# Altium PCB PCB1.PcbDoc (part 1 of 2)
Units mm, origin at the board's own origin, x right, y up, seen from the top; angles counter-clockwise.
Board outline 95 x 50 mm, 4 copper layers (Top Layer, GND02, PWR03, Bottom Layer), stack 0.603 mm thick; 238 components, 164 nets, 720 pads, 505 vias.
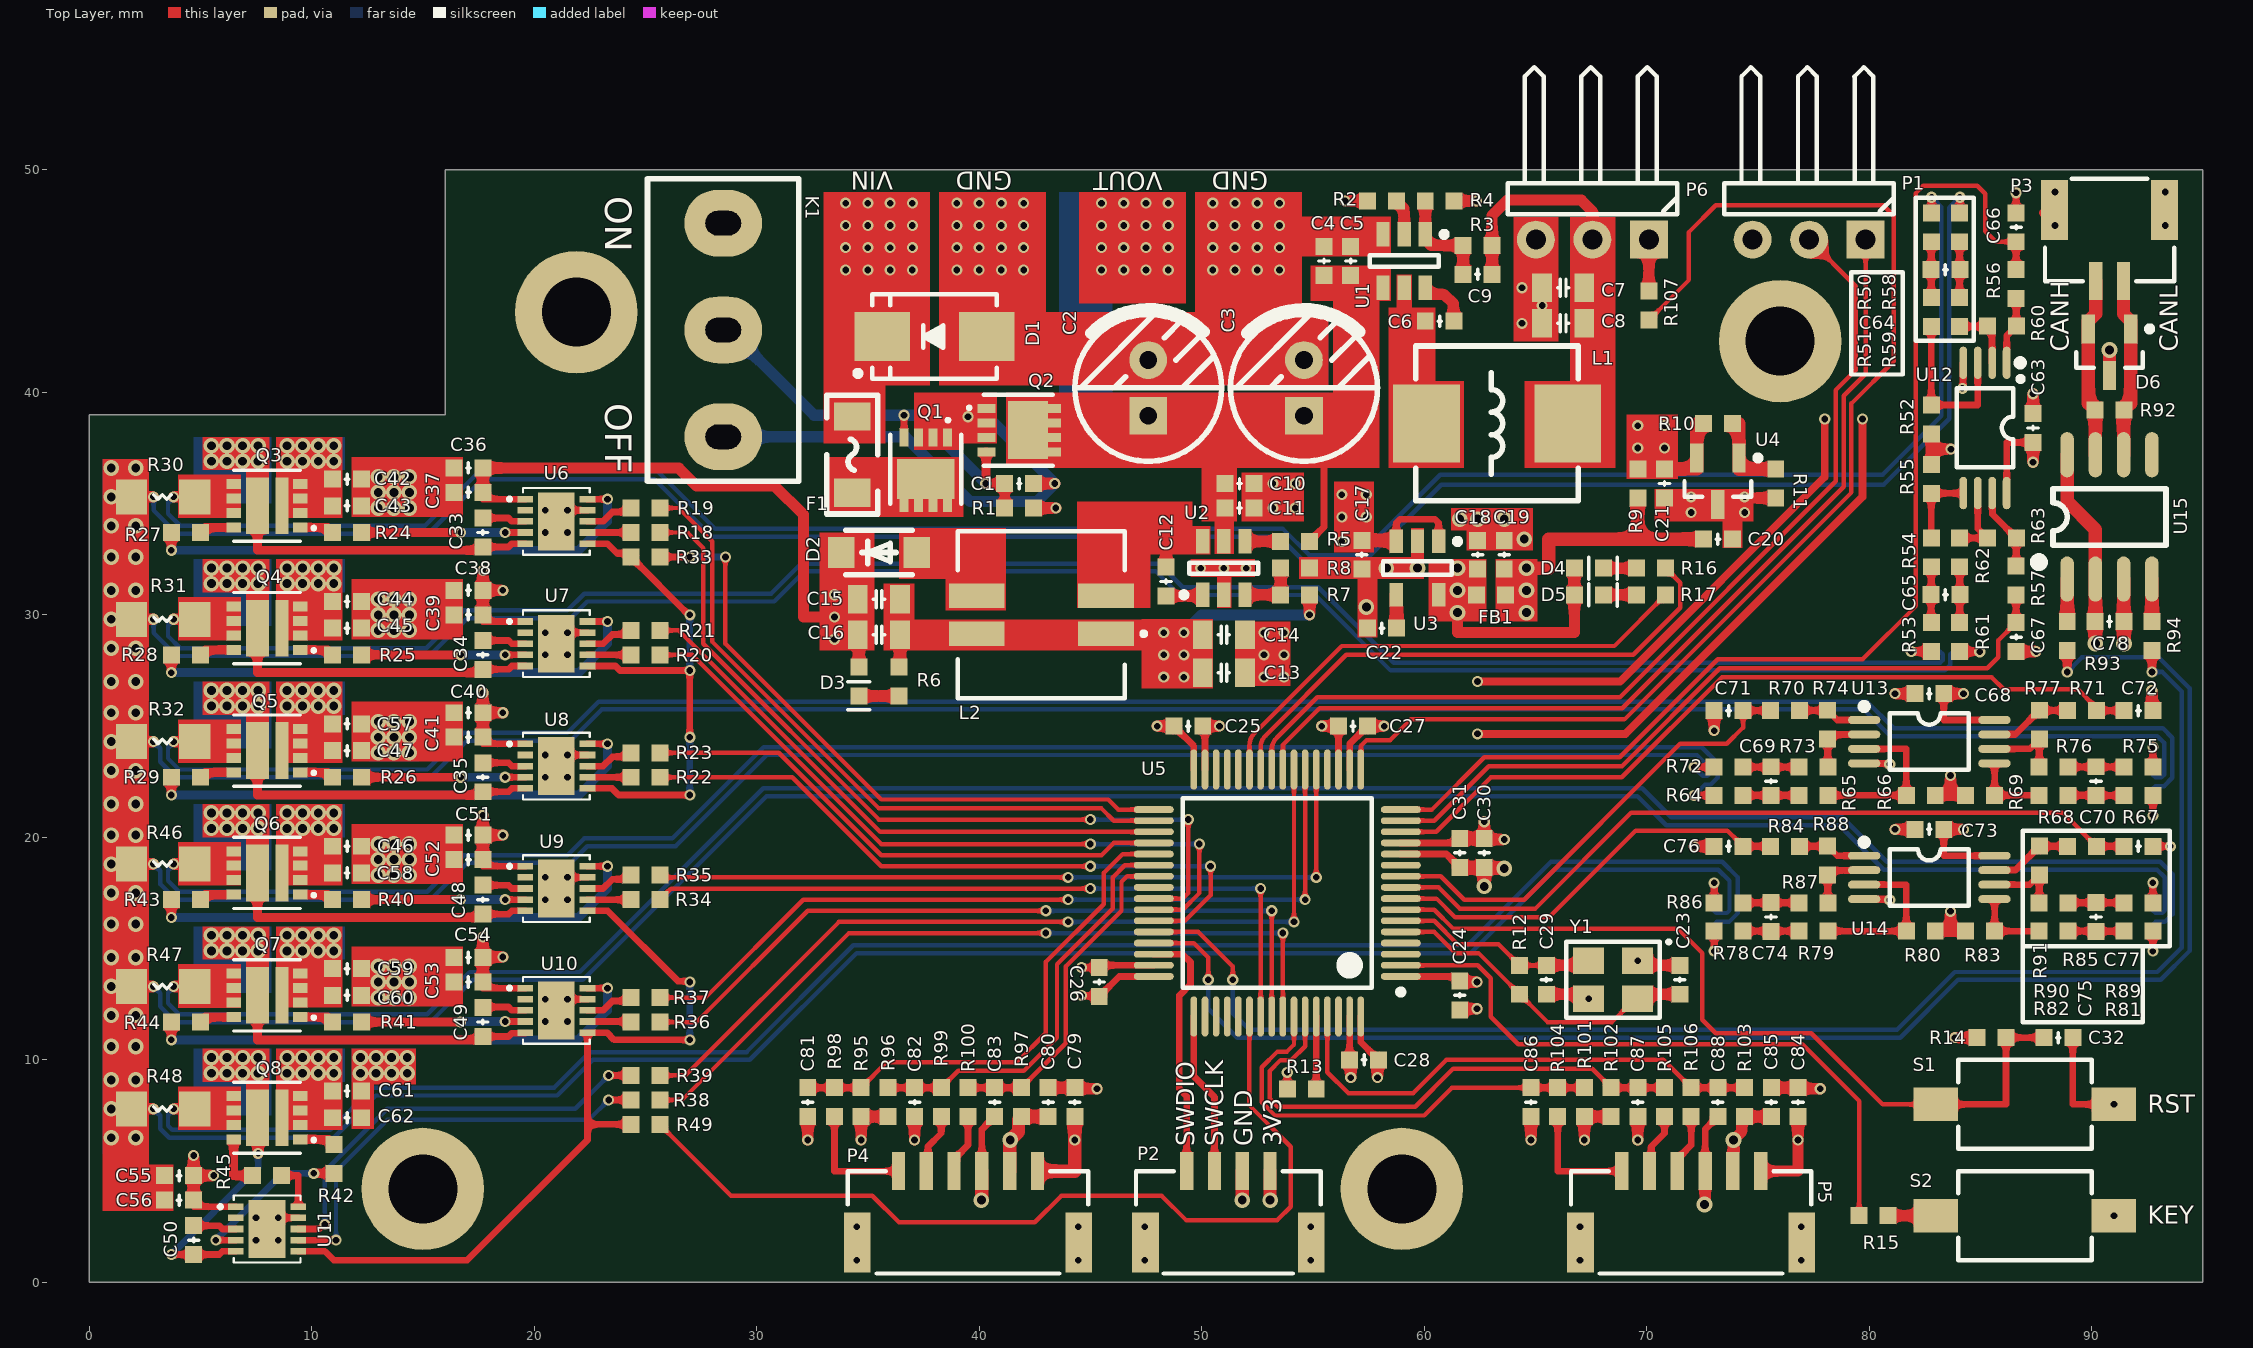
[diagram p0: Top Layer view]
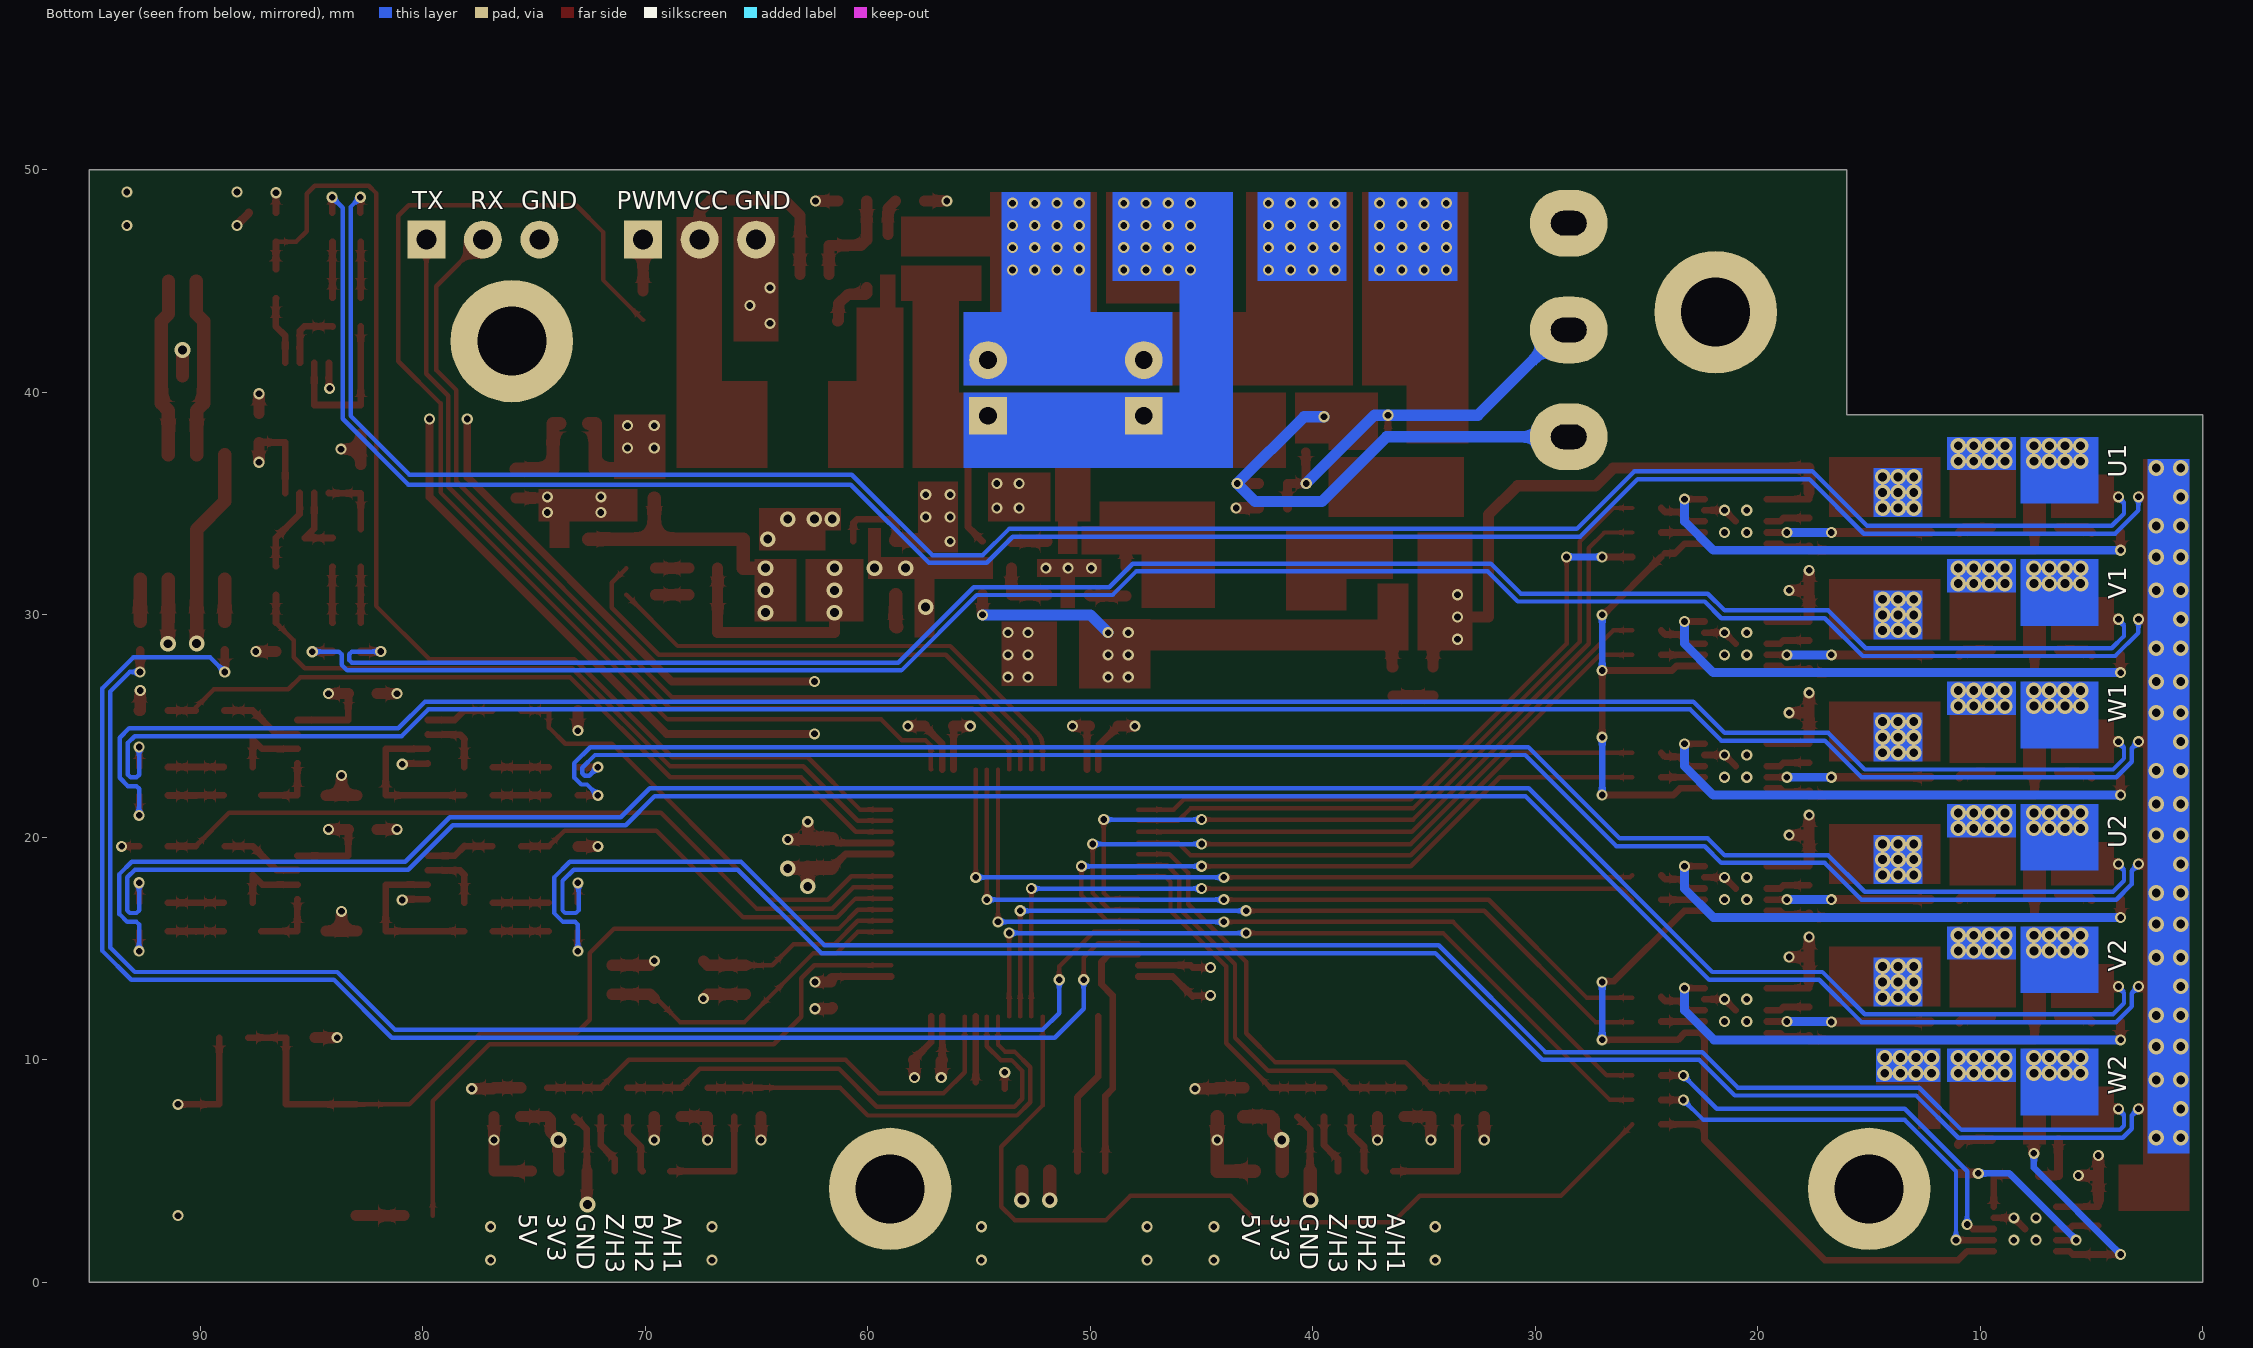
[diagram p1: Bottom Layer view, seen from below]
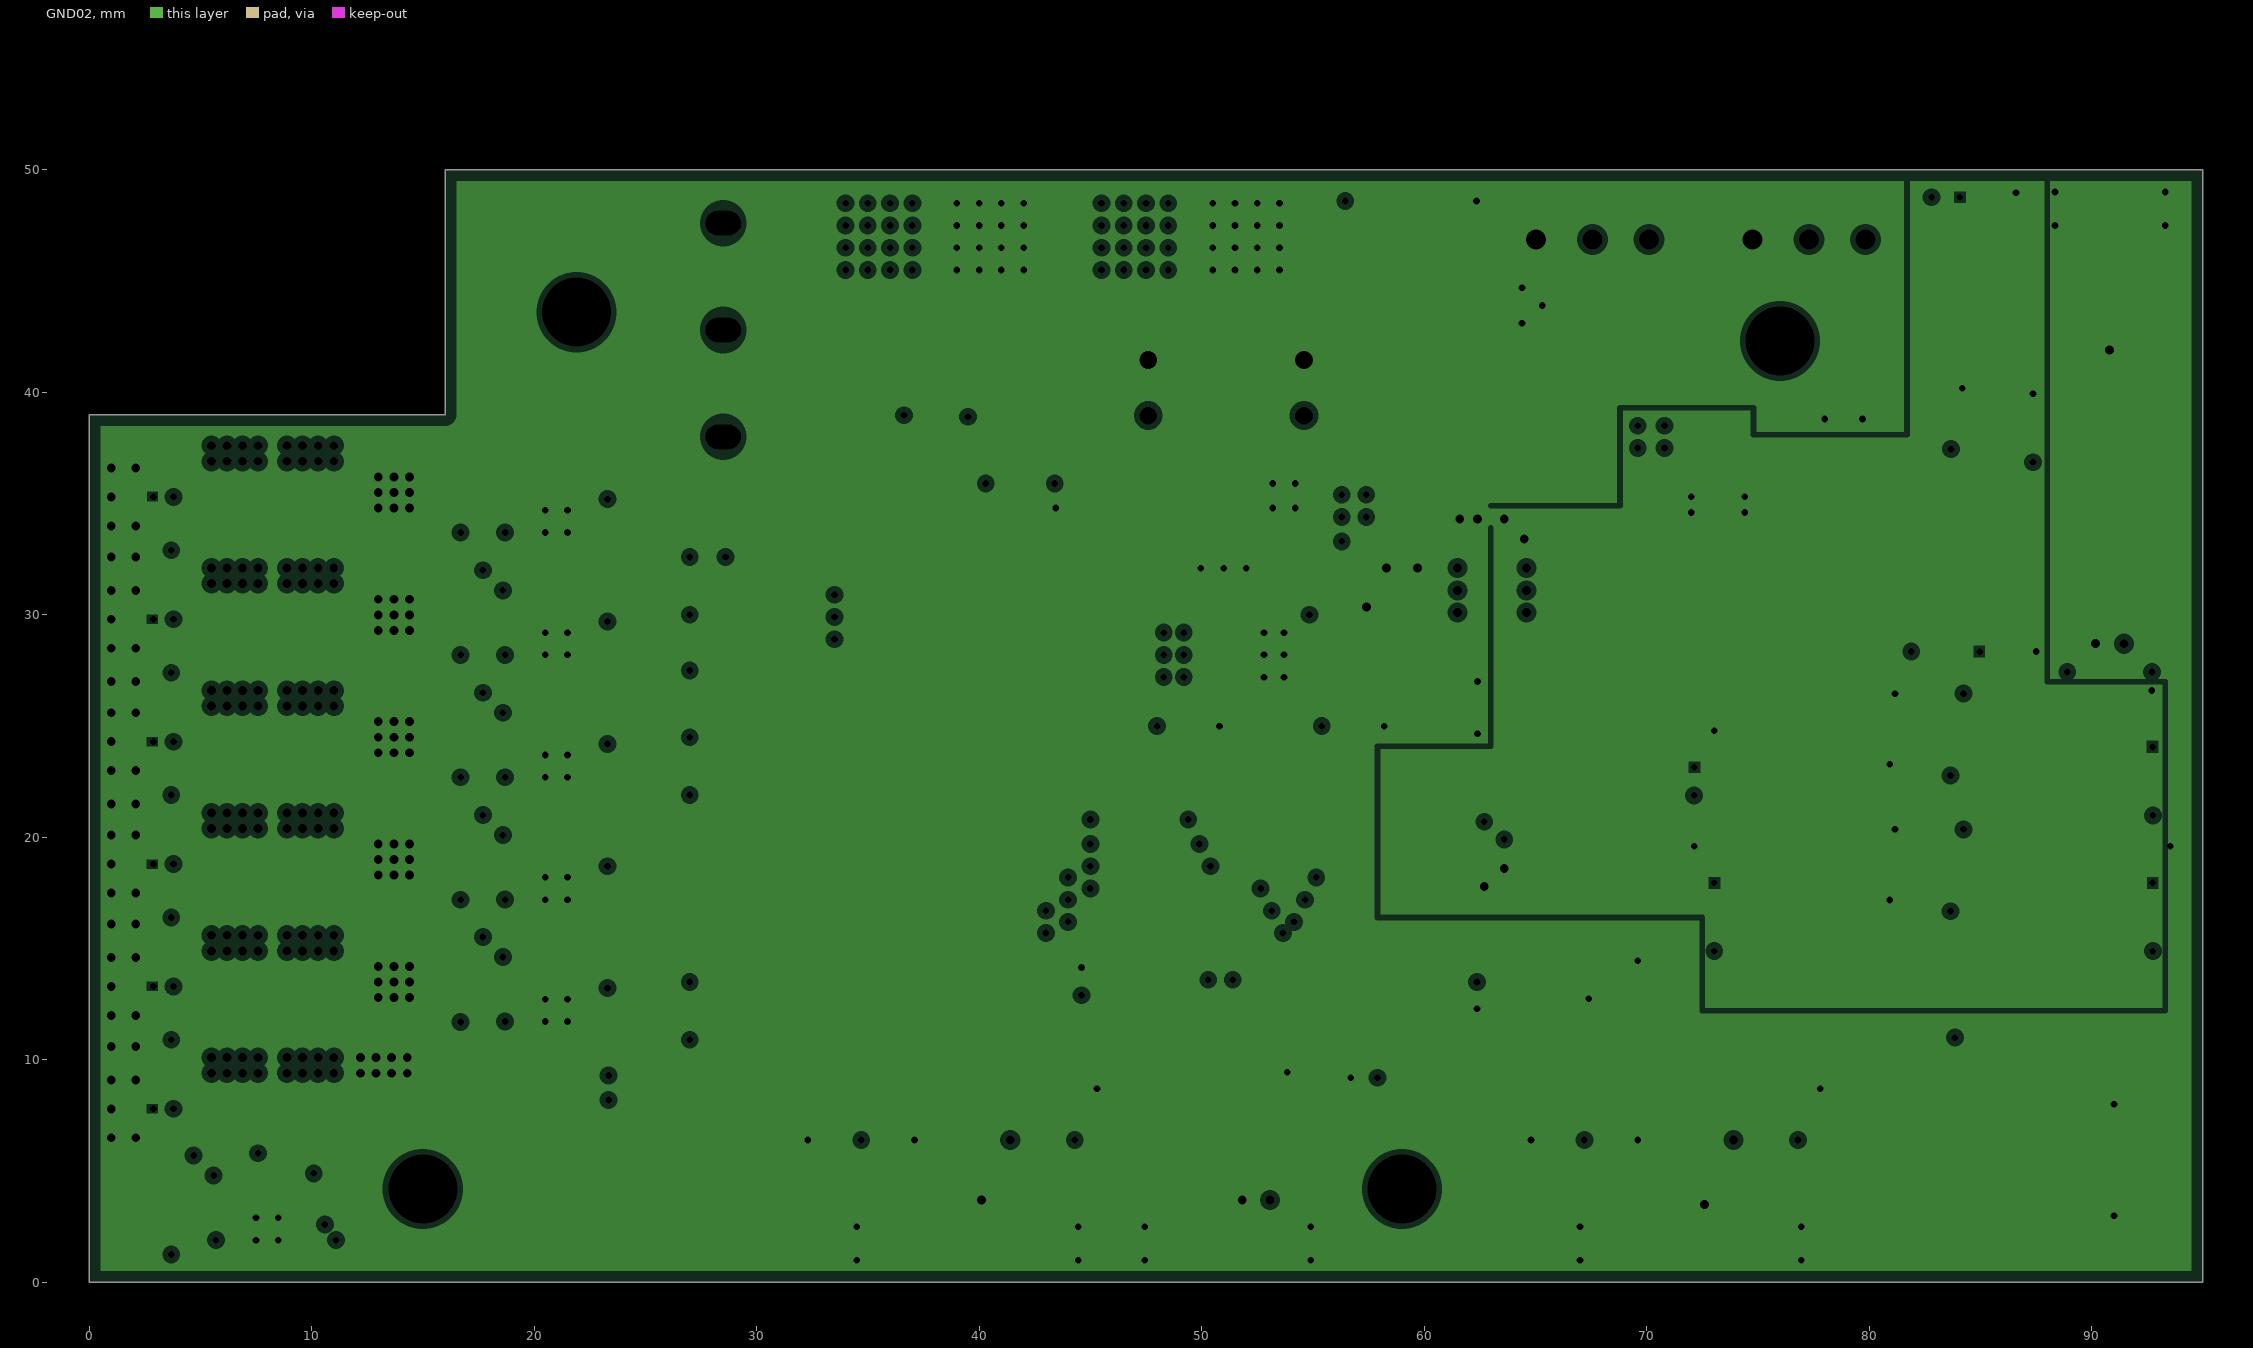
[diagram p2: GND02, clearances drawn from the general rule]
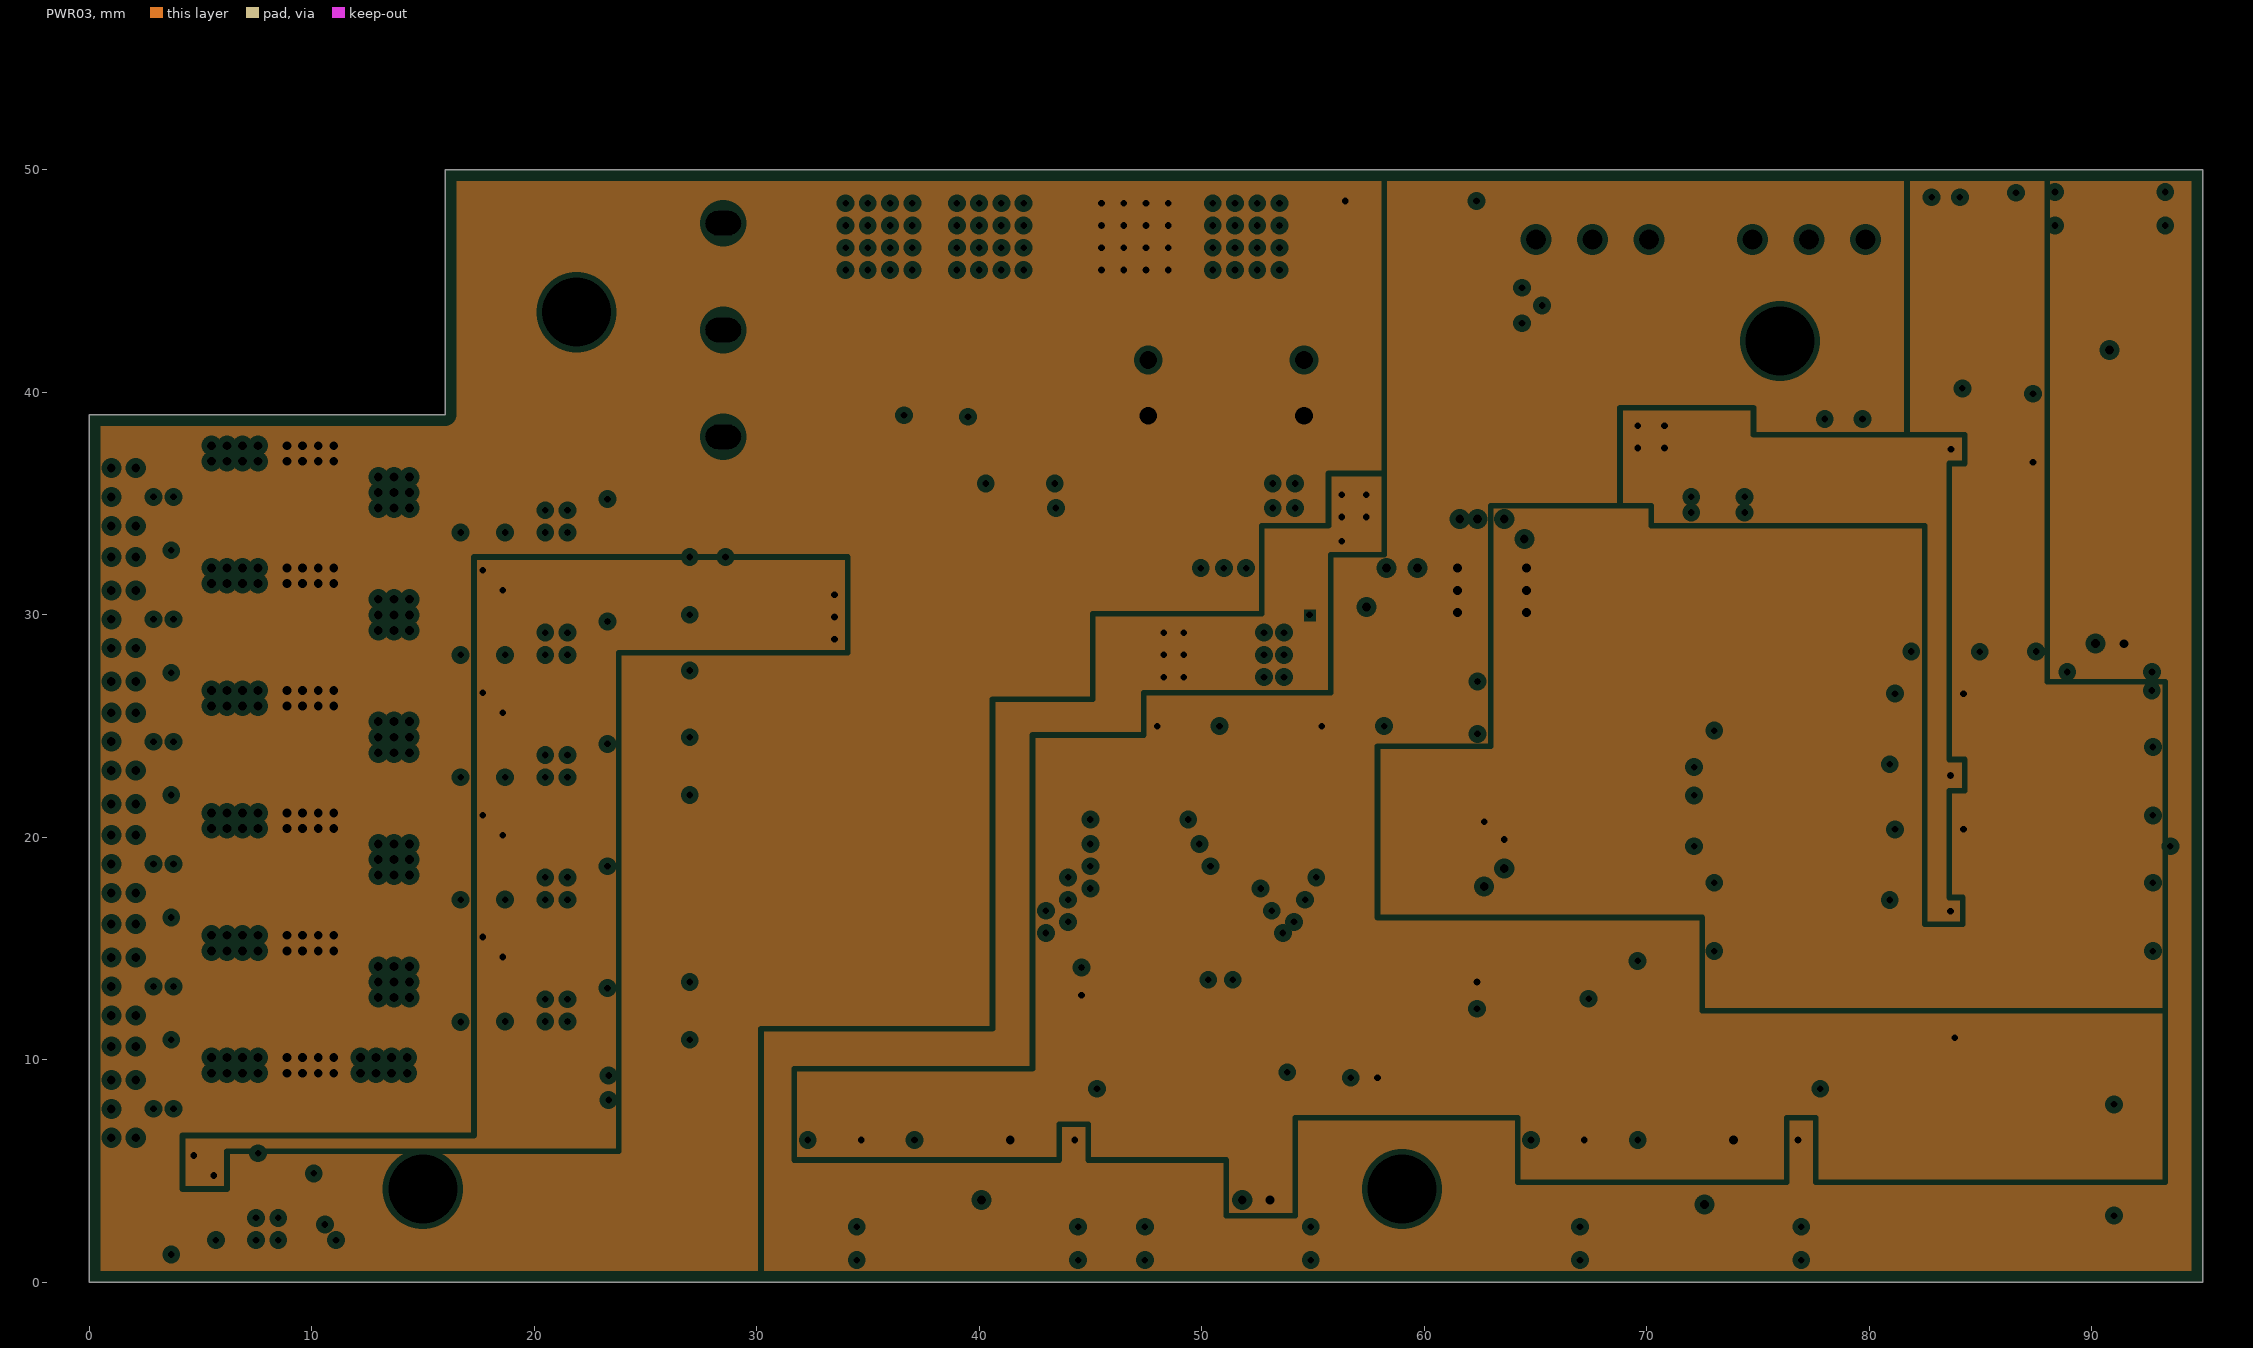
[diagram p3: PWR03, clearances drawn from the general rule]

## Layer stack, top to bottom
Top Solder: solder mask 0.0102, Solder Resist, Dk 3.5
Top Layer: signal copper 0.0356
Dielectric 2: prepreg 0.0711, PP-006, Dk 4.1
GND02: plane copper 0.035, net GND
Dielectric 1: dielectric 0.32, FR-4, Dk 4.8
PWR03: plane copper 0.035, net (Multiple Nets)
Dielectric 3: prepreg 0.0711, PP-006, Dk 4.1
Bottom Layer: signal copper 0.0356
Bottom Solder: solder mask 0.0102, Solder Resist, Dk 3.5

## Board outline
0,0 0,39 16,39 16,50 95,50 95,0

## Design rules (kind name [scope] priority, off if disabled: settings)
Clearance [All] p1: gap=0.15 ignorepadtopadclearanceinfootprint=TRUE except(0: Arc-Hole Track-Hole SMDPad-Hole THPad-Hole Via-Hole Fill-Hole Poly-Hole Region-Hole Text-Hole; 0.25: Arc-Poly Track-Poly SMDPad-Poly THPad-Poly Via-Poly Fill-Poly Poly-Poly)
ComponentClearance [All] p1: gap=0 collisioncheckmode=3 verticalgap=0.254 showdistances=FALSE
Height [All] p1 off: minheight=0 maxheight=254 prefheight=12.7
HoleSize [All] p1: absolutevalues=TRUE maxlimit=10 minlimit=0.025 maxpercent=80.000 minpercent=20.000
MinimumSolderMaskSliver [All] p1: minsoldermaskwidth=0
PlaneClearance [All] p1: clearance=0.25
PlaneConnect [All] p1: planeconnectstyle=Direct reliefexpansion=0.508 reliefentries=4 reliefconductorwidth=0.254 reliefairgap=0.254
PolygonConnect [All] p1: thpad.connectstyle=Relief thpad.reliefconductorwidth=0.254 thpad.reliefentries=4 thpad.polygonreliefangle="90 Angle" thpad.airgapwidth=0.254 smdpad.connectstyle=Relief smdpad.reliefconductorwidth=0.254 smdpad.reliefentries=4 smdpad.polygonreliefangle="90 Angle" smdpad.airgapwidth=0.254 via.connectstyle=Direct via.reliefconductorwidth=0.254 via.reliefentries=4 via.polygonreliefangle="90 Angle" via.airgapwidth=0.254
RoutingCorners [All] p1: cornerstyle=45-Degree minsetback=2.54 maxsetback=10
RoutingVias [All] p1: holewidth=0.3 width=0.5 viastyle="Through Hole" minholewidth=0.3 minwidth=0.5 maxholewidth=0.8 maxwidth=1.5
SilkToSilkClearance [All] p1: silktosilkclearance=0.05
SilkToSolderMaskClearance [IsPad] p1: minsilkscreentomaskgap=0.01 clearancetoexposedcopper=TRUE
SolderMaskExpansion [All] p1: expansion=0.102 istentingtop=FALSE
UnRoutedNet [All] p1: checkbadconnections=TRUE
Width [All] p1: maxlimit=5 minlimit=0.15 preferedwidth=0.254
20 further rules are at their usual default settings.

## Classes and differential pairs
component class U_Power: C1 C2 C3 C4 C5 C6 C7 C8 C9 C10 C11 C12 C13 C14 C15 C16 C17 C18 C19 C20 C21 C22 D1 D2 D3 F1 FB1 K1 L1 L2 Q1 Q2 R1 R2 R3 R4 R5 R6 R7 R8 R9 R10 R11 U1 U2 U3 U4
component class U_Motor_Driver2: C48 C49 C50 C51 C52 C53 C54 C55 C56 C57 C58 C59 C60 C61 C62 mx Q6 Q7 Q8 R34 R35 R36 R37 R38 R39 R40 R41 R42 R43 R44 R45 R46 R47 R48 R49 U9 U10 U11
component class U_Motor_Driver1: C33 C34 C35 C36 C37 C38 C39 C40 C41 C42 C43 C44 C45 C46 C47 Q3 Q4 Q5 R18 R19 R20 R21 R22 R23 R24 R25 R26 R27 R28 R29 R30 R31 R32 R33 U6 U7 U8
component class U_MCU: C23 C24 C25 C26 C27 C28 C29 C30 C31 C32 D4 D5 P1 P2 R12 R13 R14 R15 R16 R17 S1 S2 U5 Y1
component class U_Interface1: C79 C80 C81 C82 C83 C84 C85 C86 C87 C88 P4 P5 P6 R95 R96 R97 R98 R99 R100 R101 R102 R103 R104 R105 R106 R107
component class U_Current_Sensing: C63 C64 C65 C66 C67 C68 C69 C70 C71 C72 C73 C74 C75 C76 C77 R50 R51 R52 R53 R54 R55 R56 R57 R58 R59 R60 R61 R62 R63 R64 R65 R66 R67 R68 R69 R70 R71 R72 R73 R74 R75 R76 R77 R78 R79 R80 R81 R82 R83 R84 R85 R86 R87 R88 R89 R90 R91 U12 U13 U14
component class U_CAN: C78 D6 P3 R92 R93 R94 U15

## Components (designator, comment, footprint, x,y, rotation, side; value= is the part's Value field where it differs from the comment)
C1 "0.1uF" C0603_NS 41.8,35.9 r180 top
C2 "220uF/16V" "CT 2.5*6.3*7 - R" 47.6,40.2 r270 top
C3 "220uF/16V" "CT 2.5*6.3*7 - R" 54.6,40.2 r270 top
C4 "10uF" C0603_NS 55.5,45.9 r270 top
C5 "0.1uF" C0603_NS 56.7,45.9 r270 top
C6 "0.1uF" C0603_NS 60.7,43.2 r180 top
C7 "22uF/25V" C0805_NS 66.246,44.7 r0 top
C8 "22uF/25V" C0805_NS 66.246,43.1 r0 top
C9 "NC" C0603_NS 62.4,45.3 r0 top
C10 "10uF" C0603_NS 51.7,35.9 r180 top
C11 "0.1uF" C0603_NS 51.7,34.8 r180 top
C12 "0.1uF" C0603_NS 48.4,31.5 r90 top
C13 "22uF/25V" C0805_NS 51,27.4 r180 top
C14 "22uF/25V" C0805_NS 51,29.1 r180 top
C15 "22uF/25V" C0805_NS 35.5,30.7 r180 top
C16 "22uF/25V" C0805_NS 35.5,29.1 r180 top
C17 "1uF" C0603_NS 57.2,32.7 r90 top
C18 "1uF" C0603_NS 62.4,32.7 r270 top
C19 "1uF" C0603_NS 63.6,32.7 r270 top
C20 "10uF" C0603_NS 73.2,33.4 r180 top
C21 "10uF" C0603_NS 70.8,35.9 r90 top
C22 "0.1uF" C0603_NS 58.1,29.4 r0 top
C23 "22pF" C0603_NS 71.492,13.6 r270 top
C24 "10uF" C0603_NS 61.6,12.9 r90 top
C25 "0.1uF" C0603_NS 49.4,25 r180 top
C26 "0.1uF" C0603_NS 45.4,13.5 r270 top
C27 "0.1uF" C0603_NS 56.8,25 r180 top
C28 "0.1uF" C0603_NS 57.3,10 r0 top
C29 "22pF" C0603_NS 65.492,13.6 r90 top
C30 "1uF" C0603_NS 62.7,19.3 r90 top
C31 "10nF" C0603_NS 61.6,19.3 r90 top
C32 "0.1uF" C0603_NS 88.5,11 r180 top
C33 "470nF" C0603_NS 17.7,33.7 r270 top value=1uF
C34 "470nF" C0603_NS 17.7,28.2 r270 top value=1uF
C35 "470nF" C0603_NS 17.7,22.7 r270 top value=1uF
C36 "10uF/25V" C0603_NS 17.05,36.6 r180 top value=1uF
C37 "0.1uF" C0603_NS 17.05,35.5 r180 top value=1uF
C38 "10uF/25V" C0603_NS 17.05,31.1 r180 top value=1uF
C39 "0.1uF" C0603_NS 17.05,30 r180 top value=1uF
C40 "10uF/25V" C0603_NS 17.05,25.6 r180 top value=1uF
C41 "0.1uF" C0603_NS 17.05,24.5 r180 top value=1uF
C42 "10uF/25V" C0603_NS 11.6,36.1 r180 top
C43 "10uF/25V" C0603_NS 11.6,34.9 r180 top
C44 "10uF/25V" C0603_NS 11.6,30.6 r180 top
C45 "10uF/25V" C0603_NS 11.6,29.4 r180 top
C46 "10uF/25V" C0603_NS 11.6,19.6 r180 top
C47 "10uF/25V" C0603_NS 11.6,23.9 r180 top
C48 "470nF" C0603_NS 17.7,17.2 r270 top value=1uF
C49 "470nF" C0603_NS 17.7,11.7 r270 top value=1uF
C50 "470nF" C0603_NS 4.7,1.9 r270 top value=1uF
C51 "10uF/25V" C0603_NS 17.05,20.1 r180 top value=1uF
C52 "0.1uF" C0603_NS 17.05,19 r180 top value=1uF
C53 "10uF/25V" C0603_NS 17.05,13.5 r180 top value=1uF
C54 "0.1uF" C0603_NS 17.05,14.6 r180 top value=1uF
C55 "10uF/25V" C0603_NS 4.05,4.8 r180 top value=1uF
C56 "0.1uF" C0603_NS 4.05,3.7 r180 top value=1uF
C57 "10uF/25V" C0603_NS 11.6,25.1 r180 top
C58 "10uF/25V" C0603_NS 11.6,18.4 r180 top
C59 "10uF/25V" C0603_NS 11.6,14.1 r180 top
C60 "10uF" C0603_NS 11.6,12.9 r180 top
C61 "10uF/25V" C0603_NS 11.6,8.6 r180 top
C62 "10uF/25V" C0603_NS 11.6,7.4 r180 top
C63 "0.1uF" C0603_NS 87.362,38.398 r270 top
C64 "100pF" C0603_NS 83.425,45.51 r180 top
C65 "100pF" C0603_NS 83.425,30.905 r180 top
C66 "1nF" C0603_NS 86.6,47.415 r270 top
C67 "1nF" C0603_NS 86.6,29 r90 top
C68 "0.1uF" C0603_NS 82.7,26.459 r0 top
C69 "100pF" C0603_NS 75.588,22.522 r270 top
C70 "100pF" C0603_NS 90.193,22.522 r270 top
C71 "1nF" C0603_NS 73.683,25.697 r0 top
C72 "1nF" C0603_NS 92.098,25.697 r180 top
C73 "0.1uF" C0603_NS 82.7,20.359 r0 top
C74 "100pF" C0603_NS 75.588,16.422 r270 top
C75 "100pF" C0603_NS 90.193,16.422 r270 top
C76 "1nF" C0603_NS 73.683,19.597 r0 top
C77 "1nF" C0603_NS 92.098,19.597 r180 top
C78 "0.1uF" C0603_NS 90.8,29.7 r180 top
C79 "0.1uF" C0603_NS 44.3,8.1 r270 top
C80 "0.1uF" C0603_NS 43.1,8.1 r270 top
C81 "1nF" C0603_NS 32.3,8.1 r90 top
C82 "1nF" C0603_NS 37.1,8.1 r90 top
C83 "1nF" C0603_NS 40.7,8.1 r90 top
C84 "0.1uF" C0603_NS 76.8,8.1 r270 top
C85 "0.1uF" C0603_NS 75.6,8.1 r270 top
C86 "1nF" C0603_NS 64.8,8.1 r90 top
C87 "1nF" C0603_NS 69.6,8.1 r90 top
C88 "1nF" C0603_NS 73.2,8.1 r90 top
D1 "SMBJ18CA" SMB 38,42.5 r0 top locked
D2 "B5819W" SOD-123 35.5,32.8 r180 top
D3 "LED" LED0603_NS 34.6,27 r270 top
D4 "LED" LED0603_NS 67.4,32.1 r0 top
D5 "LED" LED0603_NS 67.4,30.9 r0 top
D6 "PESD1CAN" SOT23-3N 90.8,41.8 r270 top
F1 "10A/32V" "FU 1206" 34.3,37.2 r270 top
FB1 "600Ω,500mA" FB0603_NS 63,30.9 r0 top
K1 "SS-12D10L5" SS-12D10 28.5,42.8 r90 top locked
L1 "4.7uH" L-SMD-0630 63.275,38.6 r0 top
L2 "MSD7342-223" MSD7342 42.8,30 r90 top locked
P1 "HDR-1X3" HDR2.54-WI-3P 77.3,46.863 r180 top locked
P2 "GH1.25-4P" A1257WR-S-4P 51.2,5 r0 top
P3 "GH1.25-2P" A1257WR-S-2P 90.8,45 r180 top locked
P4 "GH1.25-6P" A1257WR-S-6P 39.5,5 r0 top locked
P5 "GH1.25-6P" A1257WR-S-6P 72,5 r0 top locked
P6 "HDR-1X3" HDR2.54-WI-3P 67.564,46.863 r180 top locked
Q1 "VS3508AE" PowerPAK1212-8 37.6,36.5 r180 top
Q2 "VS3508AE" PowerPAK1212-8 41.8,38.3 r270 top
Q3 "AON7934" POWERPAIR_3X3 8,34.9 r90 top locked
Q4 "AON7934" POWERPAIR_3X3 8,29.4 r90 top locked